# Altium PCB Austindetz_CM4_Board_v1.0.PcbDoc (part 5 of 6)
Units mil, origin at the board's own origin, x right, y up, seen from the top; angles counter-clockwise.
Board outline 4020 x 5659.29 mil, 6 copper layers (Top Layer, 02_GND1, 03_SIg1, 04_SIg2, 05_Pwr1, Bottom Layer), stack 60.56 mil thick; 407 components, 332 nets, 1812 pads, 973 vias.
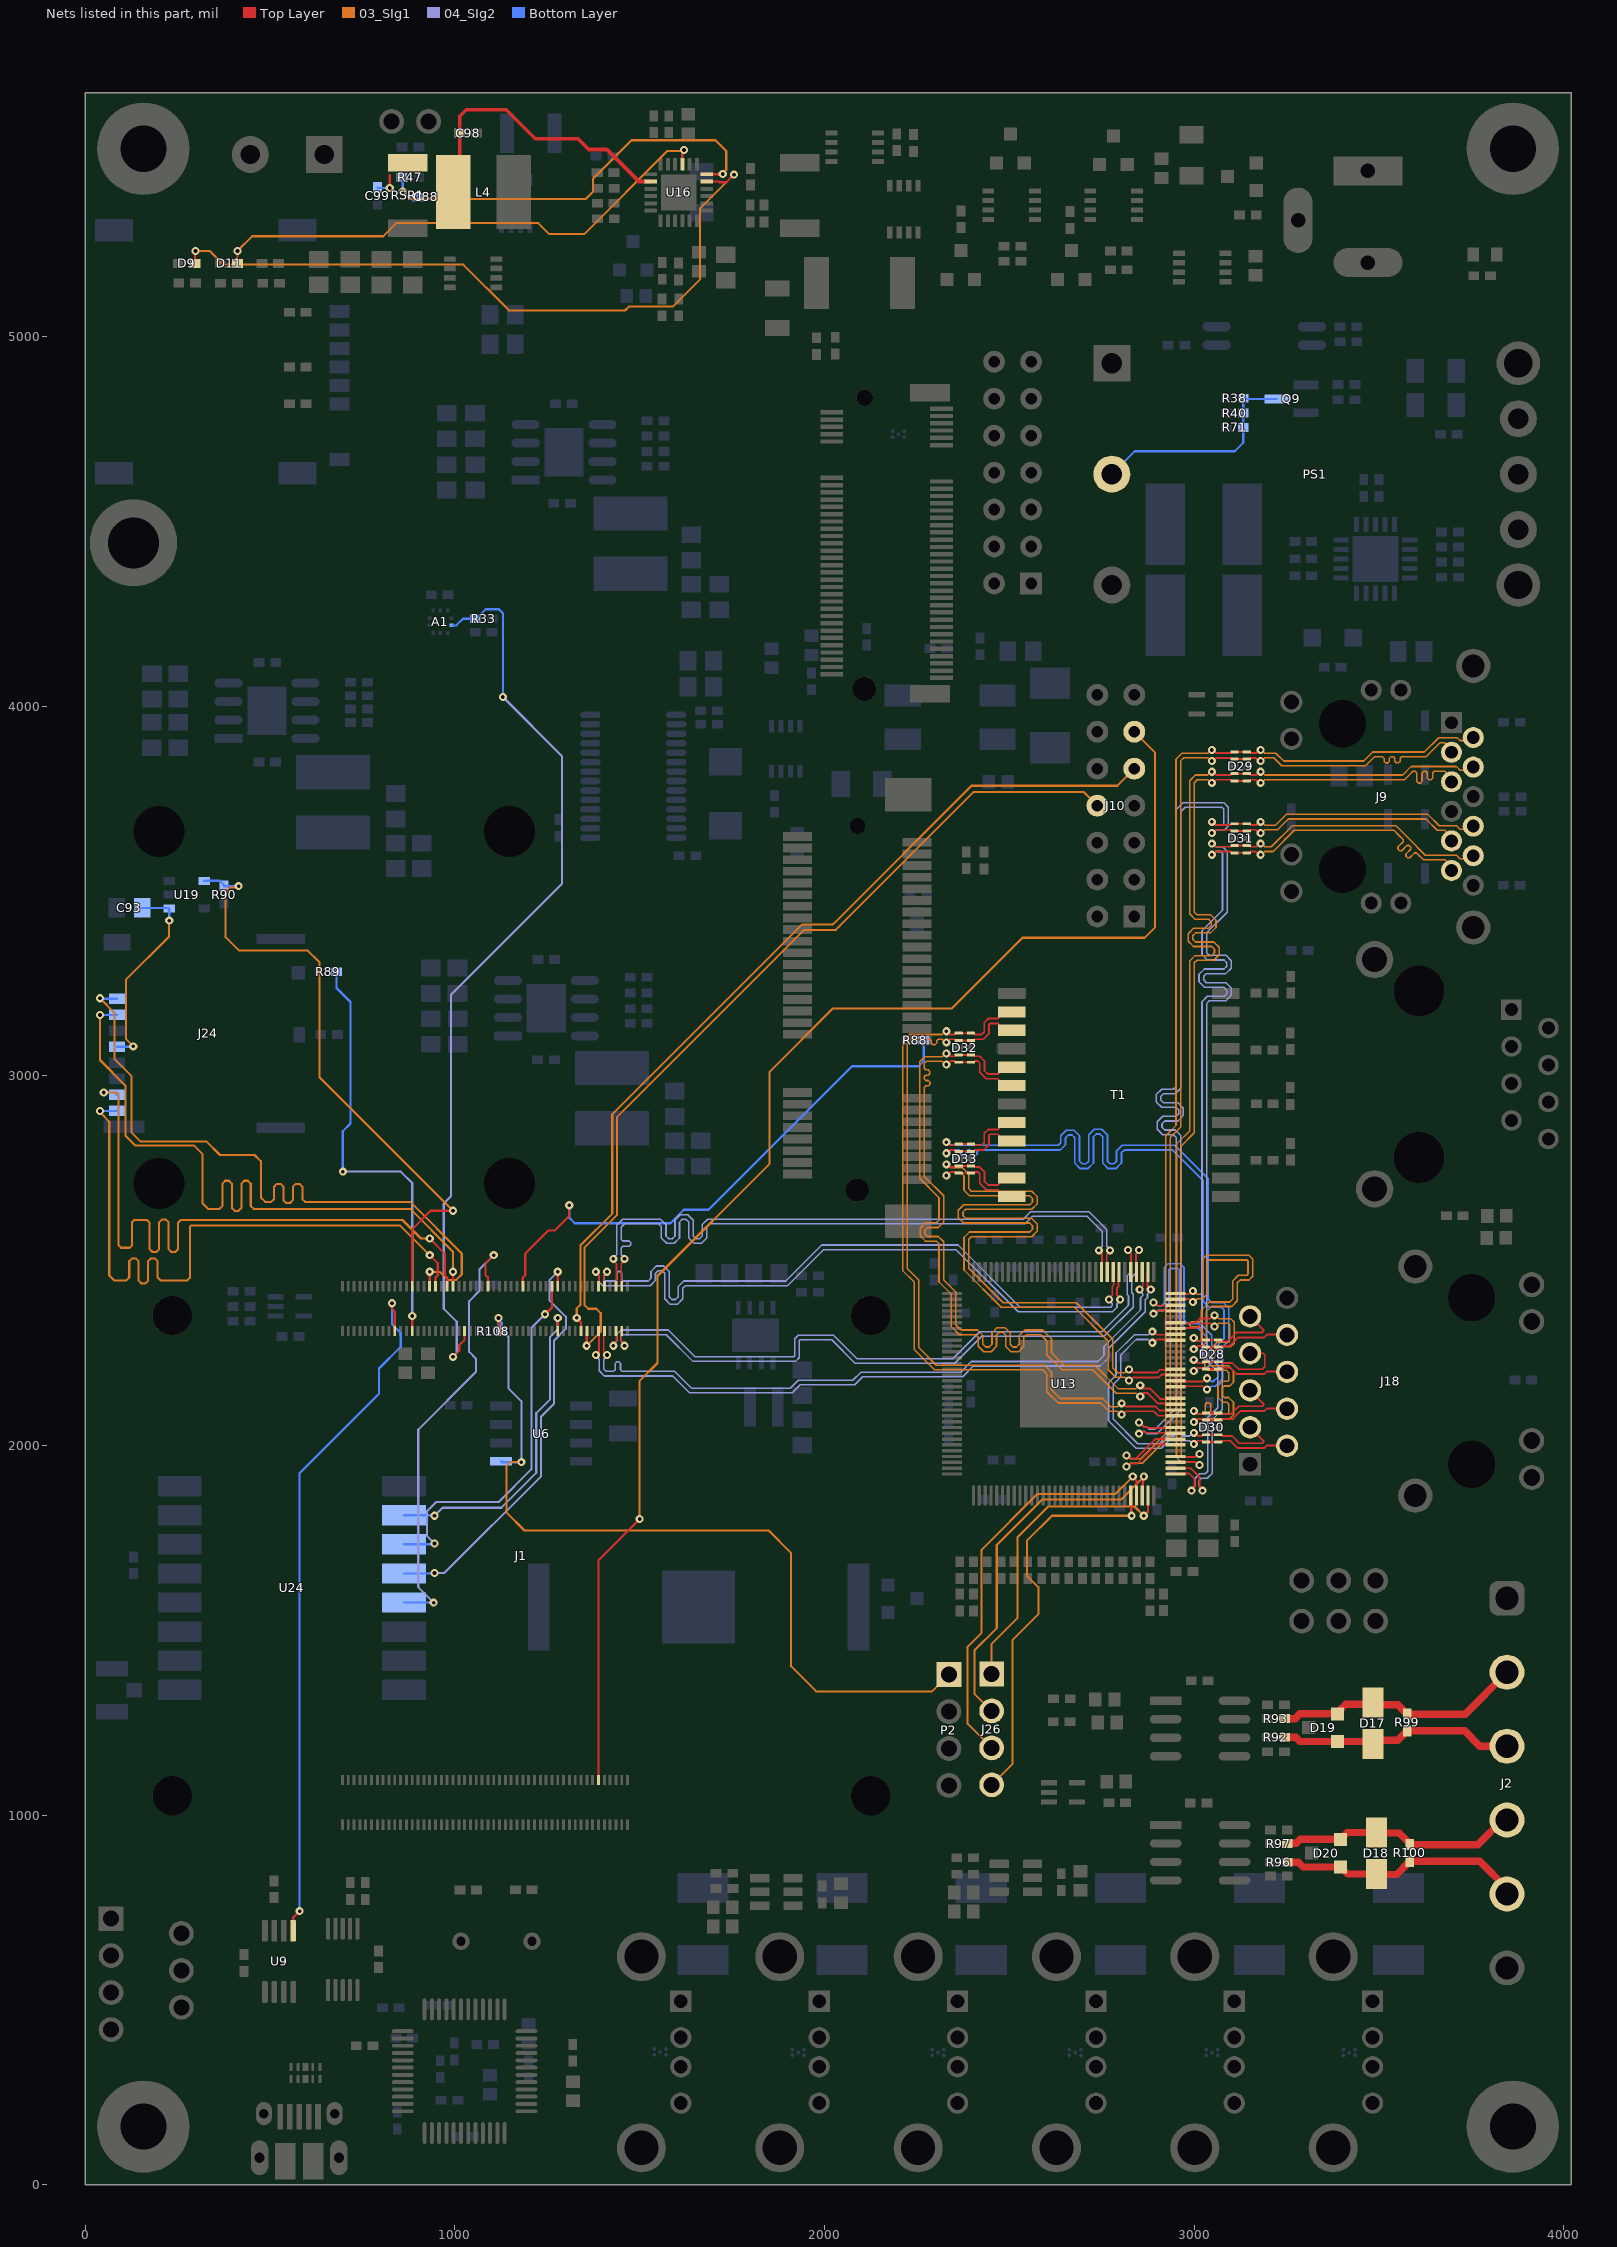
[diagram p9: the nets of this part, all layers, seen from the top]

## Via types
v1: diameter 22, hole 10, Top Layer to Bottom Layer, tented both sides, 968 vias
v2: diameter 22, hole 10, Top Layer to Bottom Layer, 5 vias

## Nets (pads, with @x,y where several pads share a name; then routed paths per layer and width w, separated by ;. In a path a pad name is that pad's centre, name@x,y a point inside that pad or via, vN(x,y) a via of type N, cw(c..) or ccw(c..) an arc to the next point about the centre after c; other vN are vias at no path point) (continued)
SD-DATA0: J1.63 J24.7 | length 1882.5
  Top Layer w6.16: v1(931.88,2559.98) 972.79,2519.07 972.79,2460.84 979.12,2454.51 J1.63@979.12,2430.77
  03_SIg1 w5.61: v1(49.91,2954.98) 86.62,2954.98 89.91,2951.7 89.91,2541.98 96.91,2534.98 119.91,2534.98 126.91,2541.98 126.91,2603.98 132.91,2609.98 138.09,2609.98 166.51,2609.98 174.19,2602.3 174.19,2531.35 181.87,2523.66 192.12,2523.66 199.8,2531.35 199.8,2603.53 207.48,2611.21 217.73,2611.21 225.41,2603.53 225.41,2531.35 233.09,2523.66 243.34,2523.66 251.02,2531.35 251.02,2602.3 258.7,2609.98 264.08,2609.98 858.36,2609.98 908.36,2559.98 v1(931.88,2559.98)
  Bottom Layer w6.16: v1(49.91,2954.98) 79.13,2954.98 J24.7@85.33,2948.79
SD-DATA1: J1.67 J24.8 | length 1863.2
  Top Layer w6.16: v1(931.88,2514.98) 953.96,2492.9 953.96,2460.84 947.63,2454.51 J1.67@947.63,2430.77
  03_SIg1 w5.61: v1(39.91,2904.98) 39.91,2901.14 64.91,2876.14 64.91,2459.98 77.91,2446.98 105.29,2446.98 111.3,2446.98 118.98,2454.67 118.98,2498.71 126.66,2506.4 136.91,2506.4 144.59,2498.71 144.59,2446.12 152.27,2438.44 162.52,2438.44 170.2,2446.12 170.2,2498.71 177.88,2506.4 188.13,2506.4 195.81,2498.71 195.81,2454.67 203.49,2446.98 231.91,2446.98 275.91,2446.98 282.91,2453.98 282.91,2591.7 286.2,2594.98 851.88,2594.98 v1(931.88,2514.98)
  Bottom Layer w6.16: v1(39.91,2904.98) 84.83,2904.98 J24.8@85.33,2905.48
SD-DATA2: J1.69 J24.1 | length 1893.8
  Top Layer w6.16: J1.69@931.88,2430.77 v1(931.88,2469.98)
  03_SIg1 w5.61: v1(39.91,3209.98) 78.8,3171.09 78.8,3046.09 124.91,2999.98 124.91,2847.53 150.21,2822.23 328.38,2822.23 364.51,2786.09 457.8,2786.09 474.91,2768.98 474.91,2670.98 486.91,2658.98 500.02,2658.98 502.82,2658.98 510.51,2666.67 510.51,2700.35 518.19,2708.03 528.43,2708.03 536.12,2700.35 536.12,2663.9 543.8,2656.22 554.04,2656.22 561.73,2663.9 561.73,2700.35 569.41,2708.03 579.65,2708.03 587.34,2700.35 587.34,2666.67 595.02,2658.98 606.91,2658.98 878.87,2658.98 1018.49,2519.36 1018.49,2462.77 1003.9,2448.18 981.01,2448.18 959.21,2469.98 v1(931.88,2469.98)
  Bottom Layer w6.16: v1(39.91,3209.98) 41.26,3208.63 J24.1@85.33,3208.63
SD-DATA3: J1.61 J24.2 | length 1867.4
  Top Layer w6.16: J1.61@994.87,2430.77 v1(994.87,2469.98)
  03_SIg1 w5.61: v1(39.91,3164.98) 39.91,3042.9 109.01,2973.79 109.01,2838.13 136.02,2811.12 294.77,2811.12 316.91,2788.98 316.91,2655.98 332.07,2640.82 332.75,2640.15 363.3,2640.15 370.98,2647.83 370.98,2708.67 378.66,2716.35 388.91,2716.35 396.59,2708.67 396.59,2642.7 404.27,2635.02 414.52,2635.02 422.2,2642.7 422.2,2708.67 429.88,2716.35 440.13,2716.35 447.81,2708.67 447.81,2647.83 455.49,2640.15 483.91,2640.15 879,2640.15 994.87,2524.27 v1(994.87,2469.98)
  Bottom Layer w6.16: v1(39.91,3164.98) 84.99,3164.98 J24.2@85.33,3165.33
SD-DET: J1.76 R89.2 | length 1166.3
  Top Layer w6.16: J1.76@884.63,2309.51 v1@884.63,2350.49
  04_SIg2 w5.61: v1(696.91,2740.98) 853.91,2740.98 884.6,2710.29 v1(884.6,2350.52)
  Bottom Layer w6.16: R89.2@679.95,3281.66 679.95,3237.94 717.91,3199.98 717.91,2870.98 696.91,2849.98 v1(696.91,2740.98)
SD_ON: J1.75 R90.2 U19.4 | length 1654.7
  Top Layer w6.16: J1.75@884.63,2430.77 884.63,2585.3 934.32,2634.98 v1(994.91,2634.98)
  03_SIg1 w5.61: v1(414.91,3513.37) 411.77,3510.23 391.25,3510.23 379.91,3498.89 379.91,3378.27 379.91,3375.18 416.41,3338.67 602.05,3338.67 633.72,3307 633.72,2996.17 v1(994.91,2634.98)
  Bottom Layer w6.16: U19.4@321.59,3527.69 364.09,3527.69 375.46,3516.32 R90.2@375.46,3513.37 v1(414.91,3513.37)
SD_PWR: C93.1 J24.4 U19.1 | length 548.7
  03_SIg1 w5.61: v1(129.91,3079.98) 109.91,3099.98 109.91,3259.87 227.1,3377.07 v1(227.1,3419.98)
  Bottom Layer w6.16: J24.4@85.33,3078.71 128.64,3078.71 v1(129.91,3079.98) ; C93.1@153.87,3454.5 225.49,3454.5 U19.1@227.1,3452.89 v1(227.1,3419.98)
SDA0: J1.82 U9.1 | length 1906.7
  Top Layer w6.16: U9.1@562.64,687.3 562.64,723.13 v1(579.91,740.4) ; v1(829.91,2384.98) 829.91,2370.06 837.39,2362.58 J1.82@837.39,2309.51
  Bottom Layer w6.16: v1(579.91,740.4) 579.91,1925.17 794.91,2140.17 794.91,2208.44 853.75,2267.28 853.75,2304.5 829.91,2328.34 v1(829.91,2384.98)
SDA1: A1.2 J1.58 R33.2 | length 2474.2
  Top Layer w6: v1(994.91,2239.98) 1011.58,2256.66 1011.58,2271.74 1026.37,2286.53 J1.58@1026.37,2309.51
  04_SIg2 w6: v1(994.91,2239.98) 1004.91,2249.98 1004.91,2334.98 969.91,2369.98 969.91,2381.39 969.91,2654.98 989.46,2674.53 989.46,3219.53 1289.91,3519.98 1289.91,3864.98 v1(1129.91,4024.98)
  Bottom Layer w6: A1.2@990.9,4218.84 1003.8,4218.84 1021.76,4236.8 1058.1,4236.8 1066.91,4245.61 1066.91,4246.44 1083.21,4262.74 1119.15,4262.74 1129.91,4251.98 v1(1129.91,4024.98)
SDA6: J1.46 P2.1 R108.2 U6.5 | length 2313.1
  Top Layer w6.16: v1(1118.1,2344.98) 1120,2343.09 1120,2310.37 J1.46@1120.86,2309.51
  03_SIg1 w5.61: v1(1179.91,1954.98) 1149.91,1954.98 1139.91,1944.98 1139.91,1818.31 1188.24,1769.98 1848.79,1769.98 1909.91,1708.87 1909.91,1402.62 1977.55,1334.98 2291.32,1334.98 P2.1@2336.65,1380.32
  04_SIg2 w5.61: v1(1118.1,2344.98) 1118.1,2321.58 1144.88,2294.81 1144.88,2155.02 1179.91,2119.98 v1(1179.91,1954.98)
  Bottom Layer w6.16: v1(1118.1,2344.98) 1118.1,2340.7 1126.68,2332.12 R108.2@1126.68,2309.43 ; U6.5@1124.95,1957.13 1127.1,1954.98 v1(1179.91,1954.98)
SPI6_CS: J1.49 U24.5 | length 1233.3
  Top Layer w6.16: J1.49@1089.36,2430.77 1089.36,2454.51 1083.03,2460.84 1083.03,2492.9 v1(1105.11,2514.98)
  04_SIg2 w5.61: v1(942.57,1574.98) 900.88,1616.67 900.88,2043.13 1056.62,2198.87 1056.62,2235.57 1038.58,2253.62 1038.58,2390.81 1066.65,2418.89 1066.65,2476.53 v1(1105.11,2514.98)
  Bottom Layer w6.16: U24.5@862.18,1575.17 942.39,1575.17 v1(942.57,1574.98)
SPI6_MISO: J1.26 U24.2 | length 885.1
  Top Layer w6.16: J1.26@1278.34,2309.51 v1(1278.34,2344.98)
  04_SIg2 w5.61: v1(944.91,1809.98) 966.57,1831.65 1125.65,1831.65 1220.17,1926.16 1220.17,2087.42 1256.99,2124.25 1256.99,2292.95 1278.34,2314.29 v1(1278.34,2344.98)
  Bottom Layer w6.16: U24.2@862.18,1811.39 943.51,1811.39 v1(944.91,1809.98)
SPI6_MOSI: J1.27 U24.3 | length 1026.7
  Top Layer w6.16: v1(1243.91,2354.98) 1262.59,2373.66 J1.27@1262.59,2430.77
  04_SIg2 w5.61: v1(944.91,1734.98) 924.91,1754.98 924.91,1822.81 949.16,1847.06 1118.35,1847.06 1206.93,1935.63 1206.93,2318 v1(1243.91,2354.98)
  Bottom Layer w6.16: U24.3@862.18,1732.65 942.57,1732.65 v1(944.91,1734.98)
SPI6_SCLK: J1.25 U24.4 | length 1127.7
  Top Layer w6.16: J1.25@1278.34,2430.77 v1(1278.34,2469.98)
  04_SIg2 w5.61: v1(944.91,1654.98) 971.15,1654.98 1233.51,1917.34 1233.51,2078.5 1268.1,2113.1 1268.1,2283.6 1300.14,2315.64 1300.14,2348.52 1255.64,2393.02 1255.64,2447.29 v1(1278.34,2469.98)
  Bottom Layer w6.16: U24.4@862.18,1653.91 943.83,1653.91 v1(944.91,1654.98)
SPIS_CK: J26.3 U13.93 | length 1125.1
  Top Layer w6.16: v1(2833.91,1915.98) 2833.91,1914.46 2843.91,1904.46 U13.93@2843.91,1864.76
  03_SIg1 w5.61: J26.3@2452.22,1181.96 2387.31,1246.87 2387.31,1456.02 2424.95,1493.66 2424.95,1718.33 2575.6,1868.98 2786.91,1868.98 v1(2833.91,1915.98)
SPIS_CS: J26.4 U13.92 | length 1093.1
  Top Layer w6.16: U13.92@2828.16,1864.76 2829.57,1863.35 2829.57,1811.39 v1(2830.98,1809.98)
  03_SIg1 w5.61: J26.4@2452.22,1081.96 2509.16,1138.9 2509.16,1474.23 2578.62,1543.7 2578.62,1616.48 2547.29,1647.81 2547.29,1741.88 2615.39,1809.98 v1(2830.98,1809.98)
SPIS_DI: J26.2 U13.94 | length 1021.7
  Top Layer w6.16: U13.94@2859.66,1864.76 2861.08,1866.18 2861.08,1913.16 v1(2863.91,1915.98)
  03_SIg1 w5.61: J26.2@2452.22,1281.96 2405.3,1328.88 2405.3,1445.37 2465.96,1506.03 2465.96,1731 2588.4,1853.43 2802.2,1853.43 2863.91,1915.15 v1(2863.91,1915.98)
SPIS_DO: J26.1 U13.95 | length 844.8
  Top Layer w6.16: v1(2863.61,1809.98) 2875.41,1821.79 U13.95@2875.41,1864.76
  03_SIg1 w5.61: J26.1@2452.22,1381.96 2452.22,1463.22 2522.62,1533.62 2522.62,1752.44 2605.17,1834.98 2838.61,1834.98 v1(2863.61,1809.98)
SRP: C98.1 C99.2 L4.2 RSR1.1 U16.14 | length 809
  Top Layer w6.16: v1(823.85,5402.17) 823.85,5437.17
  Top Layer w10: L4.2@1013.26,5460 C98.1@1013.26,5550.86 1013.26,5596.33 1030.91,5613.98 1138.91,5613.98 1217.75,5535.15 1333.3,5535.15 1362.05,5506.4 1411.28,5506.4 1498.04,5419.64 U16.14@1529.48,5419.64
  Bottom Layer w6.16: C99.2@790.79,5403.61 792.22,5402.17 v1(823.85,5402.17)
STAT1: D9.2 U16.5 | length 1904.5
  Top Layer w6.16: D9.2@296.84,5198 296.84,5230.15 v1(298.14,5231.46) ; U16.5@1681.85,5419.64 1713.92,5419.64 1715.66,5417.9 1734.47,5417.9 v1(1754.91,5438.34)
  03_SIg1 w5.61: v1(298.14,5231.46) 337.61,5231.46 374.08,5194.98 1022.86,5194.98 1147.28,5070.56 1460.37,5070.56 1471.63,5081.82 1590.46,5081.82 1663.72,5155.08 1663.72,5347.15 v1(1754.91,5438.34)
STAT2: D11.2 U16.9 | length 1420.5
  Top Layer w6.16: D11.2@411.71,5198 v1(411.71,5231.61) ; U16.9@1615.51,5466.29 1615.51,5501.38 1619.12,5504.98 v1(1619.91,5504.98)
  03_SIg1 w5.61: v1(411.71,5231.61) 451.7,5271.6 806.27,5271.6 841.73,5307.06 1225.9,5307.06 1255.46,5277.5 1349.8,5277.5 1574.59,5502.28 1617.21,5502.28 v1(1619.91,5504.98)
SYNC-IN: J1.16 J10.8 | length 2421
  Top Layer w6.16: v1(1356.53,2269.93) 1356.8,2270.2 1356.8,2309.24 J1.16@1357.08,2309.51
  03_SIg1 w5.61: v1(1356.53,2269.93) 1394.63,2308.03 1394.63,2358.12 1382.76,2369.98 1360.51,2369.98 1351.02,2379.47 1351.02,2479.09 1351.02,2536.09 1439.11,2624.18 1439.11,2889.18 1944.91,3394.98 2030.81,3394.98 2040.2,3404.37 2404.25,3768.42 2700.73,3768.42 J10.8@2738.04,3731.11
SYNC-OUT: J1.18 J10.9 | length 2430.7
  Top Layer w6.16: v1(1329.63,2345.43) 1329.63,2344.22 1341.33,2332.53 J1.18@1341.33,2309.51
  03_SIg1 w5.61: v1(1329.63,2345.43) 1329.63,2371.08 1339.91,2381.35 1339.91,2541.62 1425.79,2627.5 1425.79,2777.77 1425.79,2895.86 1939.91,3409.98 2022.65,3409.98 2027.43,3414.76 2397.65,3784.98 2791.91,3784.98 J10.9@2838.04,3831.11
T/R: J1.37 R88.2 | length 1517.9
  Top Layer w6.16: J1.37@1183.85,2430.77 1183.85,2454.51 1190.18,2460.84 1190.18,2480.33 1190.08,2480.44 1190.08,2519.21 1252.85,2581.98 1270.42,2581.98 1308.49,2620.05 1308.49,2648.79 v1(1309.58,2649.88)
  Bottom Layer w6.16: v1(1309.58,2649.88) 1309.58,2616.55 1324.54,2601.58 1583.26,2601.58 1619.25,2637.57 1686.03,2637.57 2074.44,3025.98 2254.91,3025.98 2268.3,3039.37 R88.2@2268.3,3096.17
TA.1: D17.1 D19.1 J2.3 R92.2 R99.1 | length 641.8
  Top Layer w20: R92.2@3244.04,1210.66 3274.5,1210.66 3285.91,1199.26 D19.1@3387.83,1199.26 3477.27,1199.26 D17.1@3483.85,1192.67 3493.81,1202.63 3550.9,1202.63 R99.1@3576.36,1228.09 3731.8,1228.09 3773.18,1186.71 J2.3@3846.54,1186.71
TA.2: D18.1 D20.1 J2.5 R96.2 R100.1 | length 668
  Top Layer w20: R96.2@3252,872.27 3282.01,872.27 3294.62,859.66 D20.1@3395.79,859.66 3414.8,840.65 D18.1@3492.69,840.65 ; D18.1@3493.16,841.12 3494.76,839.53 3547.79,839.53 R100.1@3583.36,875.09 3773.15,875.09 3846.54,801.7 J2.5@3846.54,786.71
TB.1: D17.2 D19.2 J2.2 R93.2 R99.2 | length 680.3
  Top Layer w20: R93.2@3244.04,1261.29 3273.14,1261.29 3285.91,1274.06 D19.2@3387.83,1274.06 3395.55,1281.77 3395.55,1285.61 3409.46,1299.52 3478.49,1299.52 D17.2@3483.85,1304.88 ; D17.2@3483.85,1298.83 3550.9,1298.83 R99.2@3576.36,1273.37 3733.2,1273.37 J2.2@3846.54,1386.71
TB.2: D18.2 D20.2 J2.4 R97.2 R100.2 | length 651
  Top Layer w20: R97.2@3252,923.05 3253.93,924.98 3255.39,923.53 3275.91,923.53 3286.84,934.46 D20.2@3395.79,934.46 3414.52,953.19 3493.3,953.19 3494.88,951.61 3554.95,951.61 3581.42,925.13 3581.55,925.13 3583.36,923.32 R100.2@3583.36,920.37 3767.75,920.37 3834.09,986.71 J2.4@3846.54,986.71
TRD0_0_N: D31.4 D31.7 J9.10 U13.98 | length 2990.9
  Top Layer w4.88: U13.98@2949.31,1938.66 2990.81,1938.66 3014.14,1915.33 3014.14,1889.39 3022.61,1880.92 v1(3022.61,1877.97) ; v1(3047.91,3628.3) 3050.77,3628.3 3059.33,3619.74 3091.11,3619.74 3098.96,3619.74 3102.36,3623.14 D31.4@3109.55,3623.14 D31.7@3142.42,3623.14 3149.61,3623.14 3153.01,3619.74 3168.49,3619.74 3177.05,3628.3 v1(3179.91,3628.3)
  03_SIg1 w4.44: v1(3179.91,3628.3) 3182.51,3628.3 3191.29,3619.52 3208.97,3619.52 3266.07,3676.62 3545.96,3676.62 3580.46,3642.12 3625.49,3597.09 3709.59,3597.09 3719.15,3587.52 3747.08,3587.52 J9.10@3755.17,3595.61
  04_SIg2 w4.44: v1(3022.61,1877.97) 3022.61,1880.57 3013.83,1889.35 3013.83,1905.24 3019.65,1911.06 3035.22,1911.06 3049.45,1925.29 3049.45,2070.58 3076.26,2097.39 3076.26,2204.14 3033.69,2246.7 3033.69,3152.98 3033.69,3195.73 3041.02,3203.06 3085.98,3203.06 3100.6,3217.68 3100.6,3237.76 3085.98,3252.38 3033.09,3252.38 3025.76,3259.71 3025.76,3269.49 3033.09,3276.82 3085.98,3276.82 3100.6,3291.44 3100.6,3311.52 3085.98,3326.14 3041.02,3326.14 3033.69,3333.47 3033.69,3357.79 3033.69,3387.17 3089.35,3442.83 3089.35,3607.23 3077.06,3619.52 3059.29,3619.52 3050.51,3628.3 v1(3047.91,3628.3)
TRD0_0_P: D31.5 D31.6 J9.11 U13.97 | length 2990.9
  Top Layer w4.88: U13.97@2949.31,1922.92 2950.74,1924.35 2986.91,1924.35 3001.26,1909.99 3001.26,1889.39 2992.61,1880.73 v1(2992.61,1877.97) ; v1(3047.91,3598.3) 3050.77,3598.3 3059.33,3606.86 3085.77,3606.86 3098.96,3606.86 3102.36,3603.46 D31.5@3109.55,3603.46 D31.6@3142.42,3603.46 3149.61,3603.46 3153.01,3606.86 3166.72,3606.86 3175.28,3598.3 v1(3179.91,3598.3)
  03_SIg1 w4.44: v1(3179.91,3598.3) 3182.51,3598.3 3191.29,3607.08 3214.12,3607.08 3271.22,3664.18 3540.81,3664.18 3553.6,3651.38 3555.17,3649.82 3565.38,3639.6 3565.38,3633.48 3551.59,3619.68 3551.59,3613.55 3555.67,3609.47 3561.8,3609.47 3575.59,3623.27 3581.72,3623.27 3585.81,3619.18 3585.81,3613.06 3573.03,3600.28 3573.03,3594.15 3577.11,3590.07 3583.24,3590.07 3596.02,3602.85 3602.14,3602.85 3612.04,3592.95 3613.61,3591.38 3620.34,3584.65 3678.91,3584.65 3696.11,3567.45 J9.11@3696.11,3555.85
  04_SIg2 w4.44: v1(2992.61,1877.97) 2992.61,1880.57 3001.39,1889.35 3001.39,1910.4 3014.49,1923.5 3030.06,1923.5 3037.01,1930.44 3037.01,2075.73 3063.82,2102.54 3063.82,2198.98 3021.25,2241.55 3021.25,3152.98 3021.25,3200.88 3035.87,3215.5 3080.83,3215.5 3088.16,3222.83 3088.16,3232.61 3080.83,3239.94 3027.94,3239.94 3013.32,3254.56 3013.32,3274.64 3027.94,3289.26 3080.83,3289.26 3088.16,3296.59 3088.16,3306.37 3080.83,3313.7 3035.87,3313.7 3021.25,3328.32 3021.25,3357.79 3021.25,3392.32 3076.91,3447.98 3076.91,3602.08 3071.91,3607.08 3059.29,3607.08 3050.51,3598.3 v1(3047.91,3598.3)
TRD0_1_N: D29.5 D29.6 J9.5 U13.100 | length 3001.4
  Top Layer w4.88: U13.100@2949.31,1970.16 2950.75,1968.72 2995.69,1968.72 2995.85,1968.57 3003,1968.57 3011.56,1977.13 v1(3014.42,1977.13) ; v1(3047.91,3792.74) 3050.77,3792.74 3059.33,3801.3 3085.77,3801.3 3098.96,3801.3 3102.36,3797.9 D29.5@3109.55,3797.9 D29.6@3142.42,3797.9 3149.61,3797.9 3153.01,3801.3 3166.72,3801.3 3175.28,3792.74 v1(3179.91,3792.74)
  03_SIg1 w4.44: v1(3014.42,1977.13) 3011.82,1977.13 3003.04,1968.35 2969.55,1968.35 2964.91,1972.98 2964.91,2810.52 3000.35,2845.96 3000.35,3262.98 3000.35,3305.73 3007.68,3313.06 3052.92,3313.06 3067.54,3327.68 3067.54,3347.76 3052.92,3362.38 3003.61,3362.38 2996.27,3369.71 2996.27,3379.49 3003.61,3386.82 3044.45,3386.82 3059.07,3401.44 3059.07,3421.52 3044.45,3436.14 3007.68,3436.14 3000.35,3443.47 3000.35,3552.52 3000.35,3793.42 3008.44,3801.52 3036.53,3801.52 3045.31,3792.74 v1(3047.91,3792.74) ; v1(3179.91,3792.74) 3182.51,3792.74 3191.29,3801.52 3569.22,3801.52 3585.52,3817.83 3591.73,3824.03 3597.85,3824.03 3602.18,3819.7 3602.18,3796.68 3606.52,3792.35 3612.29,3792.35 3616.62,3796.68 3616.62,3820.08 3620.96,3824.41 3626.73,3824.41 3631.06,3820.08 3631.06,3805.95 3635.4,3801.62 3641.17,3801.62 3645.5,3805.95 3645.5,3820.08 3649.84,3824.41 3662.45,3824.41 3678.91,3824.41 3696.11,3807.21 J9.5@3696.11,3795.61
TRD0_1_P: D29.4 D29.7 J9.4 U13.99 | length 3001.4
  Top Layer w4.88: U13.99@2949.31,1954.41 2950.75,1955.84 2990.36,1955.84 2990.51,1955.69 3003,1955.69 3011.56,1947.13 v1(3014.42,1947.13) ; v1(3047.91,3822.74) 3050.77,3822.74 3059.33,3814.18 3091.11,3814.18 3098.96,3814.18 3102.36,3817.58 D29.4@3109.55,3817.58 D29.7@3142.42,3817.58 3149.61,3817.58 3153.01,3814.18 3168.49,3814.18 3177.05,3822.74 v1(3179.91,3822.74)
  03_SIg1 w4.44: v1(3014.42,1947.13) 3011.82,1947.13 3003.04,1955.91 2964.39,1955.91 2952.47,1967.83 2952.47,2815.67 2987.91,2851.11 2987.91,3262.98 2987.91,3310.88 3002.53,3325.5 3047.76,3325.5 3055.1,3332.83 3055.1,3342.61 3047.76,3349.94 2998.45,3349.94 2983.83,3364.56 2983.83,3384.64 2998.45,3399.26 3039.3,3399.26 3046.63,3406.59 3046.63,3416.37 3039.3,3423.7 3002.53,3423.7 2987.91,3438.32 2987.91,3552.52 2987.91,3798.58 3003.29,3813.96 3036.53,3813.96 3045.31,3822.74 v1(3047.91,3822.74) ; v1(3179.91,3822.74) 3182.51,3822.74 3191.29,3813.96 3564.06,3813.96 3586.96,3836.85 3709.59,3836.85 3719.15,3827.29 3747.08,3827.29 J9.4@3755.17,3835.38
TRD0_2_N: D29.1 D29.10 J9.2 U13.103 | length 3001.4
  Top Layer w4.88: v1(2816.91,1973.16) 2819.77,1973.16 2828.33,1964.6 2841.52,1964.6 2892.89,2015.97 2894.77,2015.97 2896.2,2017.4 U13.103@2949.31,2017.4 ; v1(3047.91,3881.79) 3050.77,3881.79 3059.33,3873.23 3091.11,3873.23 3098.96,3873.23 3102.36,3876.64 D29.1@3109.55,3876.64 D29.10@3142.42,3876.64 3149.61,3876.64 3153.01,3873.23 3168.49,3873.23 3177.05,3881.79 v1(3179.91,3881.79)
  03_SIg1 w4.44: v1(2816.91,1973.16) 2819.52,1973.16 2828.3,1964.38 2854.82,1964.38 2923.2,2032.75 2923.2,2365.55 ; 2923.19,2365.56 2923.19,2838.26 2950.91,2865.98 2950.91,3856.98 2966.94,3873.01 3036.53,3873.01 3045.31,3881.79 v1(3047.91,3881.79) ; v1(3179.91,3881.79) 3182.51,3881.79 3191.29,3873.01 3220.88,3873.01 3242.1,3851.79 3458.72,3851.79 3483.21,3876.28 3622.9,3876.28 3661.6,3914.98 3711.37,3914.98 3719.15,3907.21 3747.08,3907.21 J9.2@3755.17,3915.3
TRD0_2_P: D29.2 D29.9 J9.3 U13.102 | length 3001.4
  Top Layer w4.88: v1(2816.91,1943.16) 2819.77,1943.16 2828.33,1951.72 2846.86,1951.72 2898.23,2003.09 2947.88,2003.09 U13.102@2949.31,2001.66 ; v1(3047.91,3851.79) 3050.77,3851.79 3059.33,3860.35 3085.77,3860.35 3098.96,3860.35 3102.36,3856.95 D29.2@3109.55,3856.95 D29.9@3142.42,3856.95 3149.61,3856.95 3153.01,3860.35 3166.72,3860.35 3175.28,3851.79 v1(3179.91,3851.79)
  03_SIg1 w4.44: v1(2816.91,1943.16) 2819.52,1943.16 2828.3,1951.94 2859.97,1951.94 2935.64,2027.6 2935.64,2373.76 ; 2935.63,2373.77 2935.63,2833.11 2963.35,2860.83 2963.35,3851.83 2972.09,3860.57 3036.53,3860.57 3045.31,3851.79 v1(3047.91,3851.79) ; v1(3179.91,3851.79) 3182.51,3851.79 3191.29,3860.57 3215.73,3860.57 3236.95,3839.35 3463.87,3839.35 3488.36,3863.84 3492.91,3863.84 3509.57,3863.84 3513.9,3859.51 3513.9,3850.9 3518.23,3846.57 3524.01,3846.57 3528.34,3850.9 3528.34,3859.51 3532.67,3863.84 3538.45,3863.84 3542.78,3859.51 3542.78,3851.13 3547.11,3846.8 3552.89,3846.8 3557.22,3851.13 3557.22,3859.51 3561.55,3863.84 3569.32,3863.84 3628.05,3863.84 3665.93,3901.72 3676.3,3901.72 3690.89,3887.13 3691.01,3887.13 3696.11,3887.13 J9.3@3696.11,3875.54